# KiCad board 014_Sensor_PI_RS485 board.kicad_pcb (continued)
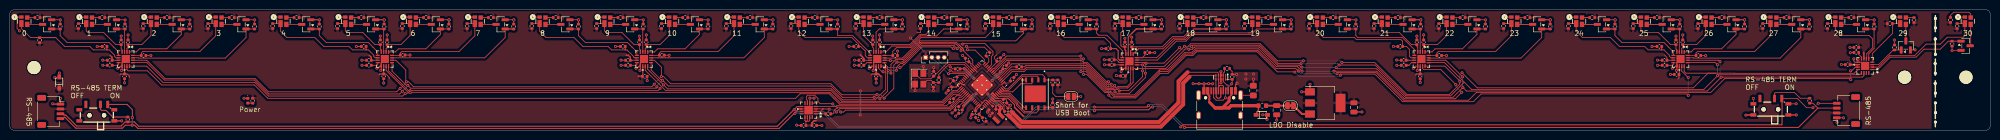
[diagram p0: board, top side]
## Routing (per net, layer and track width the routed paths; a pad name or vN(x,y) marks a point on that pad's centre or on a via; arc(x,y) is an arc through that point) (continued)
/BANK_7_CS: length 197.3
  Top w0.15: v1(378.91,10.51) 378.69,10.73 352.98,10.73 350.09,7.84 301.86,7.84 300.26,6.24 286.92,6.24 281.2,11.96 273.4,11.96 v1(273.18,11.74) ; v1(378.87,12.34) 378.87,12.17 378.84,12.14 378.87,12.11 379.86,13.1 U3801.11 ; v1(220.98,14.8) 220.96,14.78 205,14.78 202.32,12.1 U1.9 202.28,12.1 ; v1(265.2,12.29) 264.71,12.78 260.65,12.78 256.85,16.58 244.17,16.58 243.4,15.81 241.98,15.81 238.38,12.21 236.78,12.21 236.67,12.1 231.59,7.02 227.24,7.02 226.46,7.81 226.43,7.81 225.45,7.81 221.66,11.6 v1(221,11.6)
  Bottom w0.15: v1(378.87,12.34) 378.87,10.55 v1(378.91,10.51) ; v1(273.18,11.74) 265.76,11.74 v1(265.2,12.29) ; v1(221,11.6) 220.98,11.62 v1(220.98,14.8)
/FLASH_SS: length 13.4
  Top w0.15: U1.60 204.88,8.58 205.43,8.58 207.62,10.77 ; 207.62,10.78 208.37,11.53 212.57,11.53 212.98,11.12 U3.1 213.63,10.44 213.63,10.43 R7.1 R17.2
/GPIO0: length 211.1
  Top w0.15: 351.11,11.84 349.54,11.84 346.5,8.8 302.04,8.8 v1(298.91,11.92) ; 351.11,11.84 355.01,11.84 355.04,11.81 379.61,11.81 U3801.12 ; 351.11,11.84 344.97,11.84 344.63,12.18 U3301.12 ; U2801.12 295.36,13.3 298.53,10.13 ; v1(266.24,14.39) 260.91,14.39 257.37,17.93 243.05,17.93 237.96,12.84 U2301.12 231.21,9.9 230.09,8.77 228.23,8.77 227.94,8.48 227.29,8.48 227.21,8.41 225.7,8.41 221.42,12.69 209.32,12.69 208.84,12.21 206.34,12.21 U1.2 ; v1(298.45,10.16) 298.45,9.58 296.31,7.44 287.55,7.44 280.94,14.05 v1(274.19,14.05)
  Bottom w0.15: v1(298.91,11.92) 298.45,11.46 v1(298.45,10.16) ; v1(266.24,14.39) 273.85,14.39 v1(274.19,14.05)
/GPIO2: length 4.6
  Top w0.15: R14.2 206.15,13.15 U1.4
/GPIO3: length 218.9
  Top w0.15: U3801.14 381.62,11.33 381.33,11.03 352.35,11.03 352.33,11.05 ; U2301.14 233.41,14.06 ; 233.41,14.06 233.7,14.06 v1(233.87,13.89) ; 233.41,14.06 233.55,13.92 237.56,13.92 v1(240.79,17.16) ; U2801.14 295.57,14.52 v1(299.02,11.07) ; v1(273,13.02) 272.98,13 273.23,12.75 281.35,12.75 287.26,6.84 297.04,6.84 v1(299.08,8.88) 299.82,8.14 349.39,8.14 v1(352.23,10.99) ; v1(233.75,11.83) 233.75,10.94 230.43,7.63 227.94,7.63 227.61,7.96 v1(227.48,7.96) ; v1(352.01,14.23) 351.72,14.52 U3301.14 ; v1(226.69,9.54) 225.85,9.54 221.61,13.77 206.24,13.77 203.43,10.97 U1.5 ; v1(265.96,13.07) 265.76,13.07 265.33,13.5 260.95,13.5 257.18,17.27 243.86,17.27 243.77,17.18 243.77,17.16 243.46,16.85 243.44,16.85 243.39,16.8 v1(242.66,16.8)
  Bottom w0.15: v1(233.75,11.83) 233.75,13.77 v1(233.87,13.89) ; v1(352.01,14.23) 352.01,11.21 v1(352.23,10.99) ; v1(299.08,8.88) 299.02,8.94 v1(299.02,11.07) ; v1(226.69,9.54) 226.69,8.87 227.48,8.09 v1(227.48,7.96) ; v1(242.66,16.8) 241.15,16.8 v1(240.79,17.16) ; v1(273,13.02) 266.01,13.02 v1(265.96,13.07)
/GPIO8: length 208.9
  Top w0.15: v1(196.17,17.86) 196.27,17.96 200.73,17.96 202.36,16.33 202.36,15.63 202.05,15.32 202.05,13.58 U1.12 ; v1(81.41,7.63) 80.88,7.1 53.26,7.1 50.44,9.92 31.55,9.92 28.17,13.3 U401.12 ; 180.29,13.04 180.24,13.04 v1(180.13,12.93) ; 180.29,13.04 180.03,13.3 U1801.12 ; 180.29,13.04 180.29,8.48 178.13,6.32 171.38,6.32 169.12,8.58 135.4,8.58 134.57,9.42 v1(134.55,9.42) 131.3,12.67 U1301.12 ; U801.12 77.97,12.34 82.02,8.28 133.47,8.28 v1(133.84,8.65) ; v1(194.24,16.95) 194.01,16.95 193.68,17.28 187.76,17.28 184.1,13.62 184.01,13.62 183.38,12.99 v1(183.21,12.99)
  Bottom w0.15: v1(81.41,7.63) 81.81,7.63 v1(82.4,8.22) ; v1(183.21,12.99) 180.19,12.99 v1(180.13,12.93) ; v1(196.17,17.86) 195.83,17.86 195.79,17.89 194.63,17.89 194.24,17.5 v1(194.24,16.95) ; v1(134.55,9.42) 133.98,8.85 133.98,8.79 v1(133.84,8.65)
/GPIO10: length 2.4
  Top w0.15: R13.2 201.5,14.88 201.5,14.16 U1.14
/GPIO11: length 205.8
  Top w0.15: v1(181.27,14.44) 181.19,14.52 U1801.14 ; v1(197.11,16.7) 197.19,16.62 198.66,16.62 200.57,14.72 U1.15 ; U801.14 79.47,14.52 81.52,12.48 81.52,10.18 v1(81.64,10.06) 82.11,10.06 82.52,9.64 83.13,9.03 132.14,9.03 v1(132.66,9.56) ; v1(195.79,16.53) 195.79,16.85 194.71,17.93 187.56,17.93 183.99,14.37 183.91,14.37 183.68,14.14 v1(182.61,14.14) 181.96,13.49 181.96,8.66 v1(179.96,6.66) ; v1(178.51,7.44) 178.46,7.44 178.3,7.28 178.21,7.37 171.28,7.37 168.99,9.65 136.05,9.65 134.56,11.15 v1(134.11,11.15) 134.11,13.09 132.68,14.52 U1301.14 ; U401.14 28.19,14.52 31.94,10.77 50.45,10.77 53.25,7.97 79.64,7.97 v1(80.34,8.67)
  Bottom w0.15: v1(182.61,14.14) 182.31,14.44 v1(181.27,14.44) ; v1(81.64,10.06) 81.64,9.97 v1(80.34,8.67) ; v1(197.11,16.7) 197.03,16.62 195.88,16.62 v1(195.79,16.53) ; v1(179.96,6.66) 179.18,7.44 v1(178.51,7.44) ; v1(134.11,11.15) 132.66,9.7 v1(132.66,9.56)
/GPIO22: length 3
  Top w0.15: U1.34 195.65,7.17 194.88,7.17 R19.2
/GPIO23: length 30
  Top w0.15: 168.93,3.41 169.43,3.41 169.63,3.61 169.63,4.04 170.39,4.8 193.36,4.8 193.78,5.21 193.83,5.21 195.49,6.87 195.91,6.87 U1.35
/GPIO24: length 34.8
  Top w0.15: U1.36 195.99,6.38 195.47,6.38 195.42,6.33 195.4,6.33 193.98,4.91 193.91,4.91 193.49,4.49 170.83,4.49 170.16,3.82 v1(170.16,3.8) ; 167.38,4.44 167.38,4.43 166.89,3.94 U5.2 ; 167.38,4.44 167.42,4.44 167.43,4.42 168.62,4.42 v1(168.67,4.37) ; 167.38,4.44 U5.3
  Bottom w0.15: v1(168.67,4.37) 168.79,4.25 169.71,4.25 v1(170.16,3.8)
/GPIO25: length 39.6
  Top w0.15: U5.5 166.01,5.63 166.35,5.97 ; 166.35,5.97 166.81,5.51 169.34,5.51 v1(169.4,5.46) ; 166.35,5.97 166.35,6.59 165.67,7.27 164.23,7.27 163.95,6.99 163.95,6.41 164.17,6.19 U5.7 ; U1.37 196.2,6.03 195.52,6.03 194.1,4.61 194.03,4.61 193.61,4.19 172.03,4.19 171.63,3.79 v1(171.02,3.79)
  Bottom w0.15: v1(169.4,5.46) 169.41,5.46 171.02,3.84 v1(171.02,3.79)
/QSPI_SCLK: length 9.5
  Top w0.15: U3.6 210.44,4.05 210.3,3.91 208.9,3.91 207.48,5.34 207.48,5.61 205.75,7.33 203.87,7.33 U1.56
/QSPI_SD0: length 8.1
  Top w0.15: U3.5 209.12,4.75 208.76,4.75 208.37,5.14 208.37,5.16 205.86,7.68 204.09,7.68 ; 204.08,7.68 203.67,8.09 ; 204.09,7.68 U1.57 204.09,7.68
/QSPI_SD1: length 10.3
  Top w0.15: U3.2 211.71,10.99 211.48,11.22 208.48,11.22 207.92,10.66 207.92,10.65 205.55,8.28 204.62,8.28 U1.59 204.55,8.35 ; 204.23,8.66 204.53,8.35
/QSPI_SD2: length 8.6
  Top w0.15: 203.95,8.37 204.35,7.98 ; U3.3 210.44,9.81 210.28,9.65 208.12,9.65 206.44,7.98 204.35,7.98 U1.58
/QSPI_SD3: length 11.2
  Top w0.15: 203.1,7.53 203.59,7.03 205.63,7.03 207.18,5.48 207.18,5.21 208.78,3.61 211.25,3.61 211.71,4.07 U3.7
/RS485_N: length 391.3
  Top w0.15: v1(371.13,4.68) 369.83,4.68 367.92,6.59 SW2.3 ; J2.4 v1(372.22,5.6)
  Top w0.2: v1(241.02,0.72) 241.45,1.15 364.68,1.15 364.77,1.24 364.77,6.54 SW2.3 ; v1(223.23,4.07) 223.41,4.25 234.37,4.25 234.95,4.83 v1(235.23,4.83) ; v1(25.24,2.63) 25.24,4.28 24.16,5.36 SW1.3 ; J1.4 10.92,2.43 11.19,2.71 11.34,2.71 13.6,0.45 23.2,0.45 23.81,1.06 v1(25.22,1.06) 25.71,1.06 26.37,0.4 158.35,0.4 161.63,3.68 ; 161.63,3.68 161.62,3.68 v1(161.62,3.53) ; 161.63,3.68 162.41,4.46 162.67,4.46 162.7,4.44 U5.10
  Bottom w0.15: v1(371.13,4.68) 371.3,4.68 v1(372.22,5.6)
  Bottom w0.2: v1(25.24,2.63) 25.22,2.61 v1(25.22,1.06) ; v1(223.23,4.07) 223.23,4.23 223.2,4.26 211.1,4.26 207.35,0.52 170.48,0.52 167.4,3.6 161.69,3.6 v1(161.62,3.53) ; v1(241.02,0.72) 241.02,1.01 237.05,4.98 235.38,4.98 v1(235.23,4.83)
/RS485_P: length 379.8
  Top w0.15: J2.3 372.14,4.6 371.11,5.63 R4.2
  Top w0.2: 372.14,4.6 368.14,0.6 v1(241.79,0.6) ; J1.3 10.92,3.43 11.19,3.16 11.53,3.16 13.79,0.9 22.98,0.9 22.98,0.96 23.76,1.74 R101.2 25.66,1.74 26.55,0.85 157.99,0.85 161.41,4.27 v1(161.44,4.27) 161.44,4.3 162.05,4.91 162.67,4.91 162.7,4.94 U5.9 ; v1(223.23,4.82) 234.07,4.82 v1(234.35,5.1)
  Bottom w0.2: v1(223.23,4.82) 211.16,4.82 207.21,0.87 170.63,0.87 167.55,3.95 162.05,3.95 161.74,4.27 v1(161.44,4.27) ; v1(241.79,0.6) 241.79,0.78 237.19,5.38 234.63,5.38 v1(234.35,5.1)
/RUN: length 2.2
  Top w0.15: U1.26 196.37,11.43 195.35,11.43 R102.1
/Sensor Array/4_Sensor_bank1/EN0: length 19
  Top w0.15: U801.5 75.75,16.24 74.76,17.23 74.76,17.24 73.81,18.19 65.15,18.19 63.72,19.62 R901.1 ; Q901.1 63.71,21 Q901.1
/Sensor Array/4_Sensor_bank1/EN1: length 8.2
  Top w0.15: U801.3 76.97,20.91 R1001.1 ; Q1001.1 77.04,21 Q1001.1
/Sensor Array/4_Sensor_bank1/EN2: length 15.1
  Top w0.15: 90.37,21 Q1101.1 88.64,19.87 85.66,16.88 80.02,16.88 79.41,16.27 79.41,16.24 U801.1
/Sensor Array/4_Sensor_bank1/EN3: length 30.3
  Top w0.15: Q1201.1 103.71,21 Q1201.1 ; Q1201.1 101.97,19.23 97.77,15.02 U801.15
/Sensor Array/4_Sensor_bank1/Y0: length 26.3
  Top w0.15: U801.6 75.22,15.02 74.94,15.3 74.94,15.54 73.82,16.66 70.55,16.66 69.87,17.34 64.68,17.34 62.81,19.21 57.06,19.21 55.74,20.53 U901.2 ; 55.74,22.11 54.15,22.1
  Top w0.2: C804.1 73.35,16.67 73.36,16.66
/Sensor Array/4_Sensor_bank1/Y1: length 14.7
  Top w0.15: U801.4 76.47,16.67 76.28,16.86 C805.1 75.17,17.76 72.68,20.25 72.66,20.23 69.46,20.23 69.07,20.62 U1001.2 ; U1001.2 67.48,22.1 U1001.2
/Sensor Array/4_Sensor_bank1/Y2: length 12.8
  Top w0.15: U801.2 77.47,16.96 77.68,17.17 C806.1 80.53,17.76 82.4,19.64 U1101.2 ; 82.4,22.11 80.81,22.1 82.4,22.11
/Sensor Array/4_Sensor_bank1/Y3: length 23.2
  Top w0.15: U801.16 80.39,15.52 80.41,15.5 80.41,16.02 80.72,16.33 92.48,16.33 95.74,19.59 U1201.2 ; 95.74,22.11 94.15,22.1
/Sensor Array/4_Sensor_bank2/EN0: length 17.3
  Top w0.15: R1401.1 117.05,19.62 118.48,18.19 127.14,18.19 128.09,17.24 128.09,17.23 129.08,16.24 U1301.5 ; Q1401.1 117.04,21
/Sensor Array/4_Sensor_bank2/EN1: length 6.5
  Top w0.15: U1301.3 130.3,20.91 R1501.1 ; Q1501.1 130.37,21
/Sensor Array/4_Sensor_bank2/EN2: length 15.1
  Top w0.15: U1301.1 132.74,16.24 132.74,16.27 133.35,16.88 138.99,16.88 141.97,19.87 Q1601.1 143.71,21
/Sensor Array/4_Sensor_bank2/EN3: length 30.3
  Top w0.15: Q1701.1 155.31,19.23 151.1,15.02 135.94,15.02 135.94,15.02 135.5,15.02 135.5,15.02 135,15.02 134.99,15.02 134.4,15.02 134.4,15.02 134.04,15.02 134.03,15.02 133.44,15.02 133.44,15.02 U1301.15 ; Q1701.1 157.04,21 Q1701.1
/Sensor Array/4_Sensor_bank2/Y0: length 26.3
  Top w0.15: 107.48,22.1 U1401.2 109.07,20.53 110.39,19.21 116.14,19.21 118.01,17.34 123.2,17.34 123.88,16.66 127.03,16.66 128.39,15.31 128.39,15.19 128.55,15.02 U1301.6
  Top w0.2: C1304.1 126.68,16.67 126.69,16.66
/Sensor Array/4_Sensor_bank2/Y1: length 14.7
  Top w0.15: U1501.2 122.4,20.62 122.79,20.23 125.99,20.23 126.01,20.25 128.5,17.76 C1305.1 129.61,16.86 129.8,16.67 U1301.4 ; 122.4,22.11 120.81,22.1 122.4,22.11
/Sensor Array/4_Sensor_bank2/Y2: length 12.8
  Top w0.15: U1601.2 134.15,22.1 ; U1601.2 134.15,22.1 ; U1601.2 135.74,19.64 133.86,17.76 C1306.1 131.01,17.17 130.8,16.96 U1301.2
/Sensor Array/4_Sensor_bank2/Y3: length 23.2
  Top w0.15: U1301.16 133.72,15.52 133.74,15.5 133.74,16.02 134.05,16.33 145.81,16.33 149.07,19.59 U1701.2 147.48,22.1
/Sensor Array/4_Sensor_bank3/EN0: length 13.5
  Top w0.15: U1801.5 177.09,16.02 173.49,19.62 170.38,19.62 R1901.1 ; Q1901.1 170.37,21 Q1901.1
/Sensor Array/4_Sensor_bank3/EN1: length 11.5
  Top w0.15: U1801.3 178.31,20.33 178.98,21 Q2001.1 ; Q2001.1 183.71,21 Q2001.1
/Sensor Array/4_Sensor_bank3/EN2: length 22.3
  Top w0.15: Q2101.1 193.95,21 193.94,20.99 ; Q2101.1 197.04,21 Q2101.1 ; 193.94,20.99 193.93,21 192.22,21 190.78,19.56 187.47,19.56 185.37,17.46 181.56,17.46 180.34,16.24 U1801.1 ; 193.94,20.99 194.79,20.99
/Sensor Array/4_Sensor_bank3/EN3: length 35.1
  Top w0.15: Q2201.1 208.64,20.11 208.6,20.07 208.6,20.07 207.07,18.54 187.31,18.54 187.27,18.49 187.26,18.49 183.74,14.97 180.09,14.97 U1801.15 ; Q2201.1 210.37,21 Q2201.1
/Sensor Array/4_Sensor_bank3/Y0: length 22.6
  Top w0.15: U1901.2 162.4,20.53 163.72,19.21 173.33,19.21 174.69,17.85 C1804.1 175.13,17.38 176.06,16.45 176.08,16.45 176.08,15.48 176.54,15.02 U1801.6 ; 162.4,22.11 160.81,22.1 162.4,22.11
/Sensor Array/4_Sensor_bank3/Y1: length 9.9
  Top w0.15: U1801.4 177.81,16.99 177.62,17.18 C1805.1 175.74,19.65 U2001.2 ; U2001.2 174.15,22.1 U2001.2
/Sensor Array/4_Sensor_bank3/Y2: length 17.6
  Top w0.15: U2101.2 187.48,22.1 U2101.2 ; U2101.2 189.07,20.38 188.55,19.87 187.34,19.87 185.24,17.76 C1806.1 179.02,17.18 178.81,16.97 U1801.2
/Sensor Array/4_Sensor_bank3/Y3: length 29.6
  Top w0.15: U2201.2 202.4,20.82 200.83,19.25 194.81,19.25 194.8,19.26 187.59,19.26 185.49,17.16 182.55,17.16 181.75,16.36 C1807.1 181.73,15.52 U1801.16 ; 202.4,22.11 200.81,22.1 202.4,22.11
/Sensor Array/4_Sensor_bank4/EN0: length 12.6
  Top w0.15: R2401.1 223.72,20.12 224.13,19.71 225.81,19.71 228.99,16.53 U2301.5 ; Q2401.1 223.71,21 Q2401.1
/Sensor Array/4_Sensor_bank4/EN1: length 17.7
  Top w0.15: Q2501.1 237.04,21 Q2501.1 ; Q2501.1 232,21 231.96,20.96 231.81,20.96
  Top w0.2: U2301.3 230.21,19.36 230.86,20.01 ; 230.86,20.01 231.85,21 Q2501.1 ; 230.86,20.01 231.81,20.96
/Sensor Array/4_Sensor_bank4/EN2: length 23.1
  Top w0.15: 232.32,16.89 237.36,16.89 239.58,19.11 241.83,19.11 243.72,21 ; Q2601.1 250.37,21 Q2601.1
  Top w0.2: 243.72,21 Q2601.1 ; U2301.1 232.32,16.89
/Sensor Array/4_Sensor_bank4/EN3: length 36.2
  Top w0.15: Q2701.1 263.71,21 Q2701.1 ; Q2701.1 256.64,21 255.5,19.86 243.47,19.86 242.09,18.48 240.12,18.48 236.2,14.56 U2301.15
/Sensor Array/4_Sensor_bank4/Y0: length 20.5
  Top w0.15: C2304.1 226.59,17.98 225.36,19.21 217.06,19.21 215.74,20.53 U2401.2 214.15,22.1
  Top w0.2: C2304.1 227.7,16.92 228.13,16.49 228.13,14.83 228.4,14.56 U2301.6
/Sensor Array/4_Sensor_bank4/Y1: length 10.4
  Top w0.15: C2305.1 228.94,17.3 228.69,17.55 228.69,20.24 229.07,20.62 U2501.2 ; U2501.2 227.48,22.1 U2501.2
  Top w0.2: U2301.4 229.71,16.51 229.52,16.7 C2305.1
/Sensor Array/4_Sensor_bank4/Y2: length 19.4
  Top w0.15: C2306.1 237.22,17.3 239.35,19.43 241.65,19.43 242.4,20.18 U2601.2 ; 242.4,22.11 240.81,22.1 242.4,22.11
  Top w0.2: C2306.1 230.92,16.7 230.71,16.49 U2301.2
/Sensor Array/4_Sensor_bank4/Y3: length 30.7
  Top w0.15: C2307.1 233.65,15.6 233.09,15.04 236.07,15.04 239.81,18.78 241.96,18.78 243.36,20.18 255.02,20.18 ; 255.02,20.18 255.3,20.18 255.74,20.62 U2701.2 254.15,22.1 ; 255.02,20.18 255.29,20.18
  Top w0.2: U2301.16 231.95,15.04 233.09,15.04
/Sensor Array/4_Sensor_bank5/EN0: length 17.6
  Top w0.15: R2901.1 277.05,19.62 277.43,19.24 286.59,19.24 289.08,16.76 U2801.5 ; Q2901.1 277.04,21
/Sensor Array/4_Sensor_bank5/EN1: length 8.2
  Top w0.15: U2801.3 290.3,20.91 R3001.1 ; Q3001.1 290.37,21 Q3001.1
/Sensor Array/4_Sensor_bank5/EN2: length 15.1
  Top w0.15: U2801.1 292.74,16.24 292.74,16.27 293.35,16.88 298.99,16.88 301.97,19.87 Q3101.1 303.71,21
/Sensor Array/4_Sensor_bank5/EN3: length 30.3
  Top w0.15: Q3201.1 317.04,21 Q3201.1 ; Q3201.1 315.31,19.23 311.04,14.97 292.08,14.97 U2801.15
/Sensor Array/4_Sensor_bank5/Y0: length 26.9
  Top w0.15: U2801.6 288.4,15.02 288.12,15.3 288.12,16.72 287.46,17.38 C2804.1 286.68,18.46 286.31,18.82 277.16,18.82 276.77,19.21 270.39,19.21 269.07,20.53 U2901.2 ; 269.07,22.11 267.48,22.1
/Sensor Array/4_Sensor_bank5/Y1: length 14.7
  Top w0.15: U2801.4 289.8,17.23 289.81,17.24 289.61,17.45 C2805.1 288.5,17.76 286.01,20.25 285.99,20.23 282.79,20.23 282.4,20.62 U3001.2 ; 282.4,22.11 280.81,22.1 282.4,22.11
/Sensor Array/4_Sensor_bank5/Y2: length 12.8
  Top w0.15: U2801.2 290.8,16.96 291.01,17.17 C2806.1 293.86,17.76 295.74,19.64 U3101.2 ; U3101.2 294.15,22.1 U3101.2
/Sensor Array/4_Sensor_bank5/Y3: length 24.8
  Top w0.15: U2801.16 293.72,15.52 C2807.1 293.74,16.02 294.05,16.33 305.81,16.33 309.07,19.59 U3201.2 ; 309.07,22.11 307.48,22.1 309.07,22.11
/Sensor Array/4_Sensor_bank6/EN0: length 19
  Top w0.15: U3301.5 342.41,16.24 341.42,17.23 341.42,17.24 340.47,18.19 331.81,18.19 330.38,19.62 R3401.1 ; Q3401.1 330.37,21 Q3401.1
/Sensor Array/4_Sensor_bank6/EN1: length 8.2
  Top w0.15: U3301.3 343.63,20.91 R3501.1 ; Q3501.1 343.71,21 Q3501.1
/Sensor Array/4_Sensor_bank6/EN2: length 16.8
  Top w0.15: U3301.1 346.07,16.24 346.07,16.27 346.68,16.88 352.32,16.88 355.31,19.87 Q3601.1 ; Q3601.1 357.04,21 Q3601.1
/Sensor Array/4_Sensor_bank6/EN3: length 30.3
  Top w0.15: Q3701.1 368.64,19.23 364.38,14.97 346.58,14.97 346.53,15.02 U3301.15 ; Q3701.1 370.37,21 Q3701.1
/Sensor Array/4_Sensor_bank6/Y0: length 27.9
  Top w0.15: U3301.6 341.91,15.02 341.56,15.37 341.56,15.58 340.48,16.66 337.21,16.66 336.53,17.34 331.34,17.34 329.47,19.21 323.72,19.21 322.4,20.53 U3401.2 ; 322.4,22.11 320.81,22.1 322.4,22.11
  Top w0.2: C3304.1 340.01,16.67 340.02,16.66
/Sensor Array/4_Sensor_bank6/Y1: length 14.7
  Top w0.15: U3501.2 334.15,22.1 U3501.2 ; U3501.2 335.74,20.62 336.12,20.23 339.32,20.23 339.34,20.25 341.83,17.76 C3305.1 342.94,16.86 343.13,16.67 U3301.4
/Sensor Array/4_Sensor_bank6/Y2: length 12.8
  Top w0.15: U3601.2 349.07,19.64 347.19,17.76 C3306.1 344.34,17.17 344.13,16.96 U3301.2 ; 349.07,22.11 347.48,22.1 349.07,22.11
/Sensor Array/4_Sensor_bank6/Y3: length 24.8
  Top w0.15: U3301.16 347.05,15.52 C3307.1 347.07,16.02 347.38,16.33 359.14,16.33 362.4,19.59 U3701.2 ; 362.4,22.11 360.81,22.1 362.4,22.11
/Sensor Array/4_Sensor_bank/EN0: length 17.3
  Top w0.15: U401.5 22.41,16.24 21.42,17.23 21.42,17.24 20.47,18.19 11.81,18.19 10.38,19.62 R301.1 ; Q301.1 10.37,21
/Sensor Array/4_Sensor_bank/EN1: length 6.5
  Top w0.15: R501.1 23.63,20.91 U401.3 ; Q501.1 23.71,21
/Sensor Array/4_Sensor_bank/EN2: length 15.1
  Top w0.15: U401.1 26.07,16.24 26.07,16.27 26.68,16.88 32.32,16.88 35.31,19.87 Q601.1 37.04,21
/Sensor Array/4_Sensor_bank/EN3: length 28.6
  Top w0.15: 50.37,21 Q701.1 48.64,19.23 44.38,14.97 26.58,14.97 26.53,15.02 U401.15
/Sensor Array/4_Sensor_bank/Y0: length 28.5
  Top w0.15: 5.37,19.21 9.47,19.21 9.49,19.19 ; 5.37,19.21 4.28,19.21 2.4,21.09 U301.2 ; 5.37,19.21 5.39,19.19 R303.2 9.49,19.19 ; 9.49,19.19 11.34,17.34 16.53,17.34 17.21,16.66 20.48,16.66 21.6,15.54 21.6,15.3 21.88,15.02 U401.6
  Top w0.2: 20.02,16.66 20.01,16.67 C404.1
/Sensor Array/4_Sensor_bank/Y1: length 13.1
  Top w0.15: U501.2 15.74,20.62 16.12,20.23 19.32,20.23 19.34,20.25 21.83,17.76 C405.1 22.94,16.86 23.13,16.67 U401.4 ; 15.74,22.11 14.15,22.1
/Sensor Array/4_Sensor_bank/Y2: length 11.2
  Top w0.15: 27.48,22.1 U601.2 29.07,19.64 27.19,17.76 C406.1 24.34,17.17 24.13,16.96 U401.2
/Sensor Array/4_Sensor_bank/Y3: length 23.2
  Top w0.15: U701.2 42.4,19.59 39.14,16.33 27.38,16.33 27.07,16.02 C407.1 27.05,15.52 U401.16 ; 42.4,22.11 40.81,22.1
/Sensor Array/Last_sensor_bank/EN0: length 8.4
  Top w0.15: U3801.5 382.62,15.87 383.72,16.97 R4301.1 ; Q4301.1 383.71,21
/Sensor Array/Last_sensor_bank/EN1: length 7.1
  Top w0.15: Q4401.1 388.06,16.65 ; U3801.3 384.63,13.6 387.68,16.65 R4401.1
/Sensor Array/Last_sensor_bank/EN2: length 20.7
  Top w0.15: U3801.1 384.48,12.6 387.04,15.16 392.35,15.16 394,16.81 397.34,16.81 399,18.47 R4501.1 Q4501.1
/Sensor Array/Last_sensor_bank/Y0: length 15.9
  Top w0.15: 374.15,22.1 U4301.2 375.74,20.93 377.02,19.64 382.71,19.64 383.41,18.94 383.41,17.1 382.21,15.89 382.21,14.91 U3801.6
/Sensor Array/Last_sensor_bank/Y1: length 11.3
  Top w0.15: R4403.2 387.48,20.04 383.34,15.9 U3801.4 ; 389.07,22.11 387.48,22.1
/Sensor Array/Last_sensor_bank/Y2: length 25.8
  Top w0.15: U3801.2 384.55,13.1 386.91,15.46 392.03,15.46 394.43,17.86 397.36,17.86 398.79,19.29 402.05,19.29 402.4,19.64 U4501.2 400.81,22.1
/SPI0_SCLK: length 204
  Top w0.15: U1301.13 132.02,12.5 134.02,10.49 134.22,10.49 v1(134.35,10.37) 134.38,10.37 135.57,9.17 169.05,9.17 171.38,6.85 v1(177.92,6.85) ; v1(196.91,17.43) 197.11,17.23 200.6,17.23 R13.1 ; 180.65,12.27 180.65,8.1 v1(179.1,6.54) ; 180.65,12.27 180.67,12.27 v1(180.82,12.42) ; 180.65,12.27 180.65,13.18 180.03,13.8 U1801.13 ; U801.13 78.69,12.27 81.63,9.32 v1(81.93,9.32) 82.52,8.73 133.04,8.73 133.28,8.97 133.25,8.97 v1(133.19,9.03) ; v1(194.98,16.92) 194.98,16.95 194.35,17.58 187.64,17.58 184.12,14.06 184.03,14.06 183.81,13.84 183.32,13.84 182.99,13.51 182.99,13.51 182.68,13.21 182.68,13.2 182.49,13.01 v1(182.49,12.45) ; v1(80.8,8.08) 80.26,7.53 53.26,7.53 50.37,10.42 31.83,10.42 28.23,14.02 U401.13
  Bottom w0.15: v1(81.93,9.32) 81.93,9.2 81.11,8.38 81.11,8.38 v1(80.8,8.08) ; v1(194.98,16.92) 195.3,17.23 196.71,17.23 v1(196.91,17.43) ; v1(134.35,10.37) 133.19,9.21 v1(133.19,9.03) ; v1(182.49,12.45) 182.45,12.42 v1(180.82,12.42) ; v1(177.92,6.85) 178.79,6.85 v1(179.1,6.54)
/SPI1_SCLK: length 207.5
  Top w0.15: v1(241.8,17.42) 237.63,13.25 233.58,13.25 233.27,13.56 U2301.13 ; v1(227.41,9.31) 227.34,9.24 227.19,9.24 226.97,9.02 225.95,9.02 221.52,13.44 209.15,13.44 208.87,13.16 208.27,13.16 R14.1 ; 351.78,11.51 380.75,11.51 U3801.13 ; v1(233.17,12.32) 233.17,11.12 230.31,8.25 228.45,8.25 v1(228.35,8.15) ; U2801.13 295.32,14.02 299.43,9.92 ; 299.43,9.92 299.33,9.92 296.55,7.14 287.42,7.14 281.04,13.53 v1(273.6,13.53) ; 299.43,9.92 300.9,8.45 348.64,8.45 351.49,11.3 v1(351.49,11.32) 351.68,11.51 ; v1(265.78,13.8) 261.08,13.8 257.24,17.63 243.49,17.63 v1(243.24,17.38) ; U3301.13 351.05,14.02 v1(351.49,13.58)
  Bottom w0.15: v1(351.49,13.58) v1(351.49,11.32) ; v1(227.41,9.31) 227.48,9.24 227.48,9.03 v1(228.35,8.15) ; v1(233.16,13.54) 233.17,13.53 v1(233.17,12.32) ; v1(273.6,13.53) 273.33,13.8 v1(265.78,13.8) ; v1(243.24,17.38) 241.84,17.38 v1(241.8,17.42)
/SWCLK: length 8.1
  Top w0.15: v1(193.55,12.4) 193.57,12.39 193.83,12.39 194.14,12.07 196.88,12.07 196.89,12.08 196.89,12.04 197.39,11.54
  Bottom w0.15: v1(193.55,12.4) 193.29,12.4 191.06,14.62 J4.3
/SWD: length 9
  Top w0.15: U1.25 196.61,11.76 193.5,11.76 193.47,11.73 v1(193.21,11.73)
  Bottom w0.15: v1(193.21,11.73) 193.17,11.73 J4.2
/UART_RX: length 2.1
  Top w0.15: 167.91,3.41 165.89,3.41 U5.1
/UART_TX: length 28
  Top w0.15: R19.1 192.81,5.1 170.27,5.1 170.25,5.08 170.18,5.08 170.09,4.99 170.07,4.99 170.01,4.93 169.58,4.93 169.58,4.94 U5.4
/USB_D+: length 56.5
  Top w0.15: 248.82,9.08 248.82,8.7 ; J3.A6 248.77,10.53 U4.7 U4.4 248.75,11.85 248.56,12.03 242.45,12.03 242.43,12.05
  Top w0.2: 248.82,9.08 249.04,9.3 249.63,9.3 249.82,9.11 249.82,8.7
  Top w0.8: 206.51,3.54 206.51,3.57 R11.1 206.53,3.55 206.53,3.52 208.32,1.73 236.55,1.73 240.57,5.75 240.57,10.18 242.43,12.05
/USB_D-: length 57.7
  Top w0.15: 242.83,11.1 243.13,11.4 U4.5 U4.6 248.25,9.5 ; 248.27,9.48 J3.B7
  Top w0.2: 248.31,8.2 248.31,6.94 248.57,6.68 249.01,6.68 249.27,6.94 J3.A7
  Top w0.8: 242.83,11.1 241.52,9.79 241.52,5.36 236.94,0.78 207.93,0.78 205.86,2.85 205.83,2.85 R12.1 205.56,3.12
/VREG_AVDD: length 3.5
  Top w0.15: 200.14,2.6 200.14,2.67 ; U1.46 199.82,4.22 199.82,3.8 199.82,3.79 199.44,3.41 199.44,3.37
  Top w0.2: 200.56,4.98 200.67,4.87 ; U1.46 200.68,4.86 ; 200.14,2.67 199.44,3.37
/VREG_LX: length 0.2
  Top w0.15: 201.12,5.55 201.12,5.52 ; 202.87,2.31 203.01,2.18
/XIN: length 14.4
  Top w0.15: Y1.1 187.45,10.67 189.6,10.67 C17.1 190.24,11.24 193.04,14.04 196.58,14.04 198.24,12.39
/XOUT: length 8.9
  Top w0.15: 197.96,12.1 197.34,12.72 197.34,12.77 196.43,13.68 193.3,13.68 191.54,11.92 191.54,11.9 191.23,11.59 R18.1
/~{USB_BOOT}: length 5.1
  Top w0.15: JP101.2 215.3,7.01 214.68,7.63 214.68,9.39
Net-(C18-Pad1): length 3.7
  Top w0.15: Y1.3 188.78,10.31 189.69,10.31 C18.1 191.23,9.9 R18.2
Net-(D3-A): length 1
  Top w0.2: D3.2 49.99,5.65
Net-(J3-CC1): length 11
  Top w0.15: 251.58,10.55 U4.10 U4.1 ; v1(250.22,6.74) 249.73,6.25 248.3,6.25 247.91,6.65 ; J3.A5 247.77,6.79 247.91,6.65 ; 247.91,6.65 247.81,6.74 ; v1(251.46,9.62) 251.6,9.76 R2.2
  Bottom w0.2: v1(250.22,6.74) 250.22,8.38 v1(251.46,9.62)
Net-(J3-CC2): length 5.3
  Top w0.15: R3.2 250.04,12.12 249.75,11.83 U4.2 U4.9 249.75,10.13 250.5,9.38 250.72,9.38 250.77,9.33 J3.B5
Net-(J3-SHIELD): length 2.6
  Top w0.15: J3.S1 255.91,7.28 R1.2
Net-(JP2-A): length 4.4
  Top w0.25: 260.78,5.11 C1.1 260.75,5.11
  Top w0.35: FB1.2 260.75,5.11 ; JP2.1 260.78,5.11
Net-(JP2-B): length 4.1
  Top w0.4: U2.3 265.98,3.37 JP2.2
Net-(Q301-D): length 3.1
  Top w0.15: 3.69,21.94 6.75,21.94
Net-(Q501-D): length 3.1
  Top w0.15: 17.02,21.94 20.09,21.94
Net-(Q601-D): length 3.1
  Top w0.15: 30.35,21.94 33.42,21.94
Net-(Q701-D): length 3.1
  Top w0.15: 43.69,21.94 46.75,21.94
Net-(Q901-D): length 3.1
  Top w0.15: 57.02,21.94 60.09,21.94
Net-(Q1001-D): length 3.1
  Top w0.15: 70.35,21.94 73.42,21.94
Net-(Q1101-D): length 3.1
  Top w0.15: 83.69,21.94 86.75,21.94
Net-(Q1201-D): length 3.1
  Top w0.15: 97.02,21.94 100.09,21.94
Net-(Q1401-D): length 3.1
  Top w0.15: 110.35,21.94 113.42,21.94
Net-(Q1501-D): length 6.1
  Top w0.15: 123.69,21.94 126.75,21.94 123.69,21.94
Net-(Q1601-D): length 3.1
  Top w0.15: 137.02,21.94 140.09,21.94
Net-(Q1701-D): length 3.1
  Top w0.15: 150.35,21.94 153.42,21.94
Net-(Q1901-D): length 6.1
  Top w0.15: 163.69,21.94 166.75,21.94 163.69,21.94
Net-(Q2001-D): length 6.1
  Top w0.15: 177.02,21.94 180.09,21.94 177.02,21.94
Net-(Q2101-D): length 6.1
  Top w0.15: 190.35,21.94 193.42,21.94 190.35,21.94
Net-(Q2201-D): length 3.1
  Top w0.15: 203.69,21.94 206.75,21.94
Net-(Q2401-D): length 6.1
  Top w0.15: 217.02,21.94 220.09,21.94 217.02,21.94
Net-(Q2501-D): length 3.1
  Top w0.15: 230.35,21.94 233.42,21.94
Net-(Q2601-D): length 6.1
  Top w0.15: 243.69,21.94 246.75,21.94 243.69,21.94
Net-(Q2701-D): length 3.1
  Top w0.15: 257.02,21.94 260.09,21.94
Net-(Q2901-D): length 3.1
  Top w0.15: 270.35,21.94 273.42,21.94
Net-(Q3001-D): length 3.1
  Top w0.15: 283.69,21.94 286.75,21.94
Net-(Q3101-D): length 3.1
  Top w0.15: 297.02,21.94 300.09,21.94
Net-(Q3201-D): length 6.1
  Top w0.15: 310.35,21.94 313.42,21.94 310.35,21.94
Net-(Q3401-D): length 6.1
  Top w0.15: 323.69,21.94 326.75,21.94 323.69,21.94
Net-(Q3501-D): length 6.1
  Top w0.15: 337.02,21.94 340.09,21.94 337.02,21.94
Net-(Q3601-D): length 6.1
  Top w0.15: 350.35,21.94 353.42,21.94 350.35,21.94
Net-(Q3701-D): length 6.1
  Top w0.15: 363.69,21.94 366.75,21.94 363.69,21.94
Net-(Q4301-D): length 3.1
  Top w0.15: 377.02,21.94 380.09,21.94
Net-(Q4401-D): length 3.4
  Top w0.15: U4401.4 390.25,21.93 Q4401.3
Net-(Q4501-D): length 4.5
  Top w0.15: U4501.4 403.6,17.64 Q4501.3
Net-(R4-Pad1): length 8.9
  Top w0.15: R4.1 368.51,6.65 367.35,7.81 363.36,7.81 363.22,7.67 SW2.2
Net-(R101-Pad1): length 7.3
  Top w0.2: SW1.2 18.67,4.36 18.91,4.12 19.84,4.12 21.2,2.76 R101.1
Net-(U1-USB_DM): length 4.5
  Top w0.15: U1.51 202.02,6.39 ; 201.97,6.39 202,6.39 202.45,5.94 202.56,5.94 202.58,5.92 203.71,5.92 204.64,4.99 204.64,4.42 204.53,4.31 204.53,4.2 204.77,3.96
Net-(U1-USB_DP): length 4.6
  Top w0.15: R11.2 204.96,5.12 204.94,5.12 203.84,6.22 202.71,6.22 202.25,6.68 ; 202.66,6.27 U1.52
Net-(U301-A): length 1.5
  Top w0.15: 3.69,23.36 5.18,23.36
Net-(U401-DECAP): length 1.8
  Top w0.15: U401.8 22.41,13.63 22.25,13.47 C402.1
Net-(U501-A): length 1.5
  Top w0.15: 17.02,23.36 18.52,23.36
Net-(U601-A): length 1.5
  Top w0.15: 30.35,23.36 31.85,23.36
Net-(U701-A): length 1.5
  Top w0.15: 43.69,23.36 45.18,23.36
Net-(U801-DECAP): length 1.8
  Top w0.15: U801.8 75.75,13.63 75.59,13.47 C802.1
Net-(U901-A): length 1.5
  Top w0.15: 57.02,23.36 58.52,23.36
Net-(U1001-A): length 3
  Top w0.15: 70.35,23.36 71.85,23.36 70.35,23.36
Net-(U1101-A): length 1.5
  Top w0.15: 83.69,23.36 85.18,23.36
Net-(U1201-A): length 1.5
  Top w0.15: 97.02,23.36 98.52,23.36
Net-(U1301-DECAP): length 1.8
  Top w0.15: U1301.8 129.08,13.63 128.92,13.47 C1302.1
Net-(U1401-A): length 3
  Top w0.15: 110.35,23.36 111.85,23.36 110.35,23.36
Net-(U1501-A): length 3
  Top w0.15: 123.69,23.36 125.18,23.36 123.69,23.36
Net-(U1601-A): length 1.5
  Top w0.15: 137.02,23.36 138.52,23.36
Net-(U1701-A): length 1.5
  Top w0.15: 150.35,23.36 151.85,23.36
Net-(U1801-DECAP): length 1.6
  Top w0.15: U1801.8 176.41,14.02 175.86,13.47 C1802.1
Net-(U1901-A): length 3
  Top w0.15: 163.69,23.36 165.18,23.36 163.69,23.36
Net-(U2001-A): length 3
  Top w0.15: 177.02,23.36 178.52,23.36 177.02,23.36
Net-(U2101-A): length 3
  Top w0.15: 190.35,23.36 191.85,23.36 190.35,23.36
Net-(U2201-A): length 3
  Top w0.15: 203.69,23.36 205.18,23.36 203.69,23.36
Net-(U2301-DECAP): length 1.7
  Top w0.15: C2302.1 228.33,13.56
  Top w0.2: 228.33,13.56 U2301.8
Net-(U2401-A): length 3
  Top w0.15: 217.02,23.36 218.52,23.36 217.02,23.36
Net-(U2501-A): length 1.5
  Top w0.15: 230.35,23.36 231.85,23.36
Net-(U2601-A): length 3
  Top w0.15: 243.69,23.36 245.18,23.36 243.69,23.36
Net-(U2701-A): length 1.5
  Top w0.15: 257.02,23.36 258.52,23.36
Net-(U2801-DECAP): length 2.5
  Top w0.15: 287.75,13.47 287.96,13.47 288.51,14.02 U2801.8
  Top w0.2: 287.75,13.47 C2802.1 287.96,13.47
Net-(U2901-A): length 1.5
  Top w0.15: 270.35,23.36 271.85,23.36
Net-(U3001-A): length 1.5
  Top w0.15: 283.69,23.36 285.18,23.36
Net-(U3101-A): length 1.5
  Top w0.15: 297.02,23.36 298.52,23.36
Net-(U3201-A): length 1.5
  Top w0.15: 310.35,23.36 311.85,23.36
Net-(U3301-DECAP): length 1.8
  Top w0.15: U3301.8 342.41,13.63 342.25,13.47 C3302.1
Net-(U3401-A): length 3
  Top w0.15: 323.69,23.36 325.18,23.36 323.69,23.36
Net-(U3501-A): length 3
  Top w0.15: 337.02,23.36 338.52,23.36 337.02,23.36
Net-(U3601-A): length 3
  Top w0.15: 350.35,23.36 351.85,23.36 350.35,23.36
Net-(U3701-A): length 3
  Top w0.15: 363.69,23.36 365.18,23.36 363.69,23.36
Net-(U3801-DECAP): length 1.6
  Top w0.15: U3801.8 381.12,15.16 380.57,15.71 380.57,16.15
Net-(U4301-A): length 1.5
  Top w0.15: 377.02,23.36 378.52,23.36
Net-(U4401-A): length 1.5
  Top w0.15: 390.35,23.36 391.85,23.36
Net-(U4501-A): length 5.8
  Top w0.15: U4501.3 403.6,24.1 403.24,24.46 400.09,24.46 399.43,23.8 R4502.2

## Copper pours and planes (outline as drawn; the poured copper is in the pictures)
+1V1 on Top: 197.01,9.38 200.12,12.5 203.23,9.38 200.12,6.27
+3V3 on Top: 0,0.11 0,25 407.63,25.01 407.63,0.09
+3V3 on Top: 196.15,9.38 200.11,13.34 204.07,9.38 200.11,5.42
+3V3 on Top: 200.97,6.41 201.92,5.46 202.28,5.46 202.66,5.07 202.35,4.75 200.83,6.27
GND on Top: 200.73,5.51 201.93,4.31 201.82,4.2 202.14,3.88 202.25,3.99 202.6,3.64 202.25,2.92 201.88,2.53 200.9,3.67 201.08,4.87 200.59,5.37
GND on Top: 191.36,13.74 191.41,7.83 185.11,7.83 185.11,13.75
GND on Top: 252.11,12.1 256.89,12.1 256.9,12.09 256.9,10.11 255.45,8.66 251.95,8.66 251.95,11.94
GND on Bottom: 0,25 0,0.06 407.62,0.06 407.62,25 0.01,25.01
/VREG_LX on Top: 200.96,5.84 201.53,5.28 201.6,5.28 203.12,3.76 203.12,3.05 204.11,2.06 203.61,1.56 202.41,2.77 202.41,3.19 202.73,3.51 202.73,3.72 201.38,5.06 201.38,5.14 200.82,5.7

Small or netless copper shapes (teardrops, artwork), in the pictures only: 10 on Top, 1 on Bottom

## Text on the board
B.Silkscreen: Noah Jaffe / RP2350 Sensor Board / A007 REV A / github.com/w4iei/photon
F.Silkscreen: 0 | 1 | 2 | 3 | 4 | 5 | 6 | 7 | 8 | 9 | 10 | 11 | 12 | 13 | 14 | 15 | 16 | 17 | 18 | 19 | 20 | 21 | 22 | 23 | 24 | 25 | 26 | 27 | 28 | 29 | 30 | Power | RS-485 TERM / OFF       ON | Short for / USB Boot | LDO Disable | RS-485
